# Altium PCB PCB_Project.PcbDoc (part 3 of 4)
Units mm, origin at the board's own origin, x right, y up, seen from the top; angles counter-clockwise.
Board outline 170.43 x 170.05 mm, 4 copper layers (Top Layer, Inner Layer1, Inner Layer2, Bottom Layer), stack 0.551 mm thick; 181 components, 248 nets, 1695 pads, 510 vias.
Unrouted connection lines stored in the file: 313.
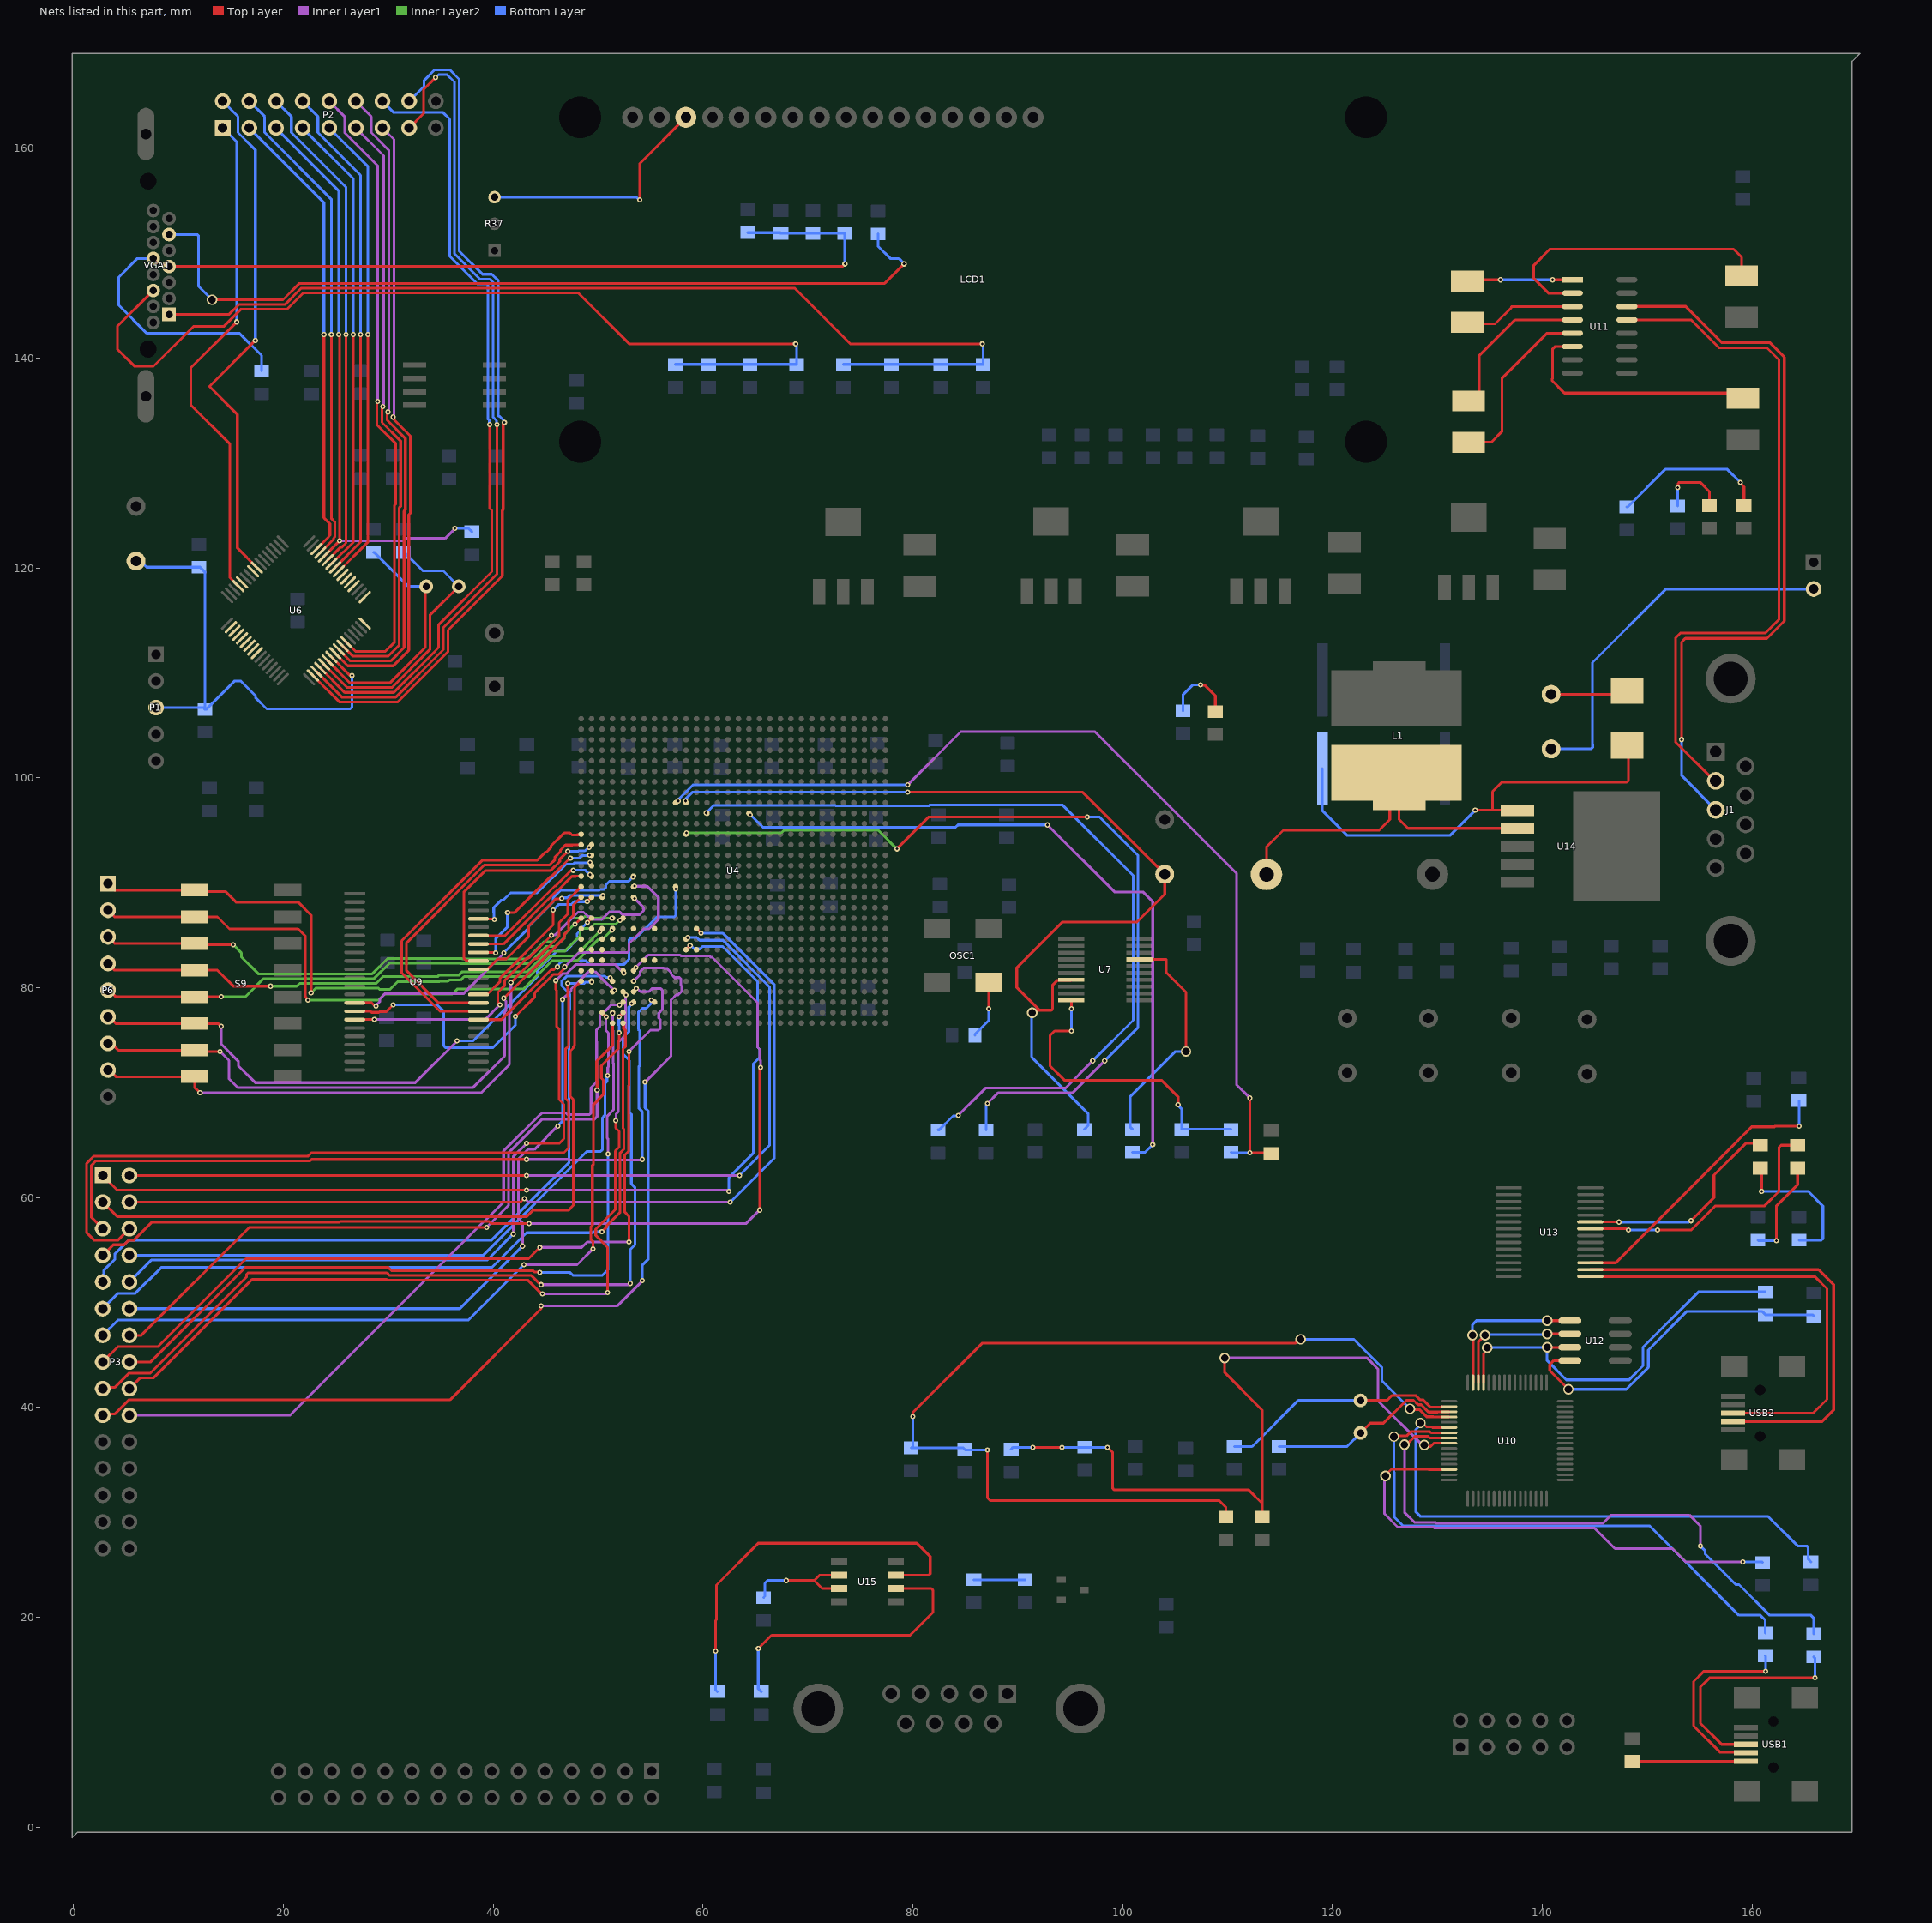
[diagram p5: the nets of this part, all layers, seen from the top]

## Via types
v1: diameter 0.5, hole 0.25, Top Layer to Bottom Layer, 482 vias
v2: diameter 1, hole 0.711, Top Layer to Bottom Layer, 28 vias

## Nets (pads, with @x,y where several pads share a name; then routed paths per layer and width w, separated by ;. In a path a pad name is that pad's centre, name@x,y a point inside that pad or via, vN(x,y) a via of type N, cw(c..) or ccw(c..) an arc to the next point about the centre after c; other vN are vias at no path point) (continued)
IO5: U4.AE16 U9.14 | length 32.6
  Top Layer w0.254: U9.14@26.808,78.55 28.433,78.55 28.762,78.221 v1(28.829,78.221) ; v1(53.34,90.551) 53.34,90.566 U4.AE16@53.389,90.615
  Inner Layer1 w0.254: v1(28.829,78.221) 28.829,78.288 29.205,78.664 29.205,78.916 29.722,79.433 37.196,79.433 41.021,83.258 v1(41.021,83.312)
  Bottom Layer w0.254: v1(41.021,83.312) 43.398,85.689 43.398,85.87 45.727,88.199 45.727,88.58 46.423,89.276 50.123,89.276 50.208,89.361 50.582,89.361 50.731,89.51 50.731,89.774 51.069,90.112 52.887,90.112 53.326,90.551 v1(53.34,90.551)
IO6: U4.AE17 U9.15 | length 44.1
  Top Layer w0.254: U9.15@26.808,77.75 28.32,77.75 28.426,77.644 29.13,77.644 29.21,77.724 29.845,77.724 v1(30.48,78.359) ; v1(42.127,77.252) 43.95,79.075 43.95,79.474 45.726,81.249 46.22,81.249 46.705,81.734 46.705,81.782 46.829,81.906 v1(46.829,81.973) ; U4.AE17@53.389,89.615 53.436,89.662 v1(53.467,89.662)
  Inner Layer1 w0.254: v1(46.829,81.973) 48.202,83.346 52.81,83.346 52.959,83.495 52.959,84.201 54.356,85.598 54.864,85.598 55.753,86.487 55.753,88.592 54.683,89.662 v1(53.467,89.662)
  Bottom Layer w0.254: v1(30.48,78.359) 34.671,78.359 35.306,77.724 35.306,74.444 35.455,74.295 40.005,74.295 42.127,76.417 v1(42.127,77.252)
IO7: U4.AE18 U9.16 | length 35.6
  Top Layer w0.254: U9.16@26.808,76.95 26.814,76.956 28.689,76.956 v1(28.695,76.962) ; v1(40.64,78.359) 40.64,78.426 40.444,78.622 40.444,79.545 41.116,80.216 41.116,80.72 43.223,82.828 43.397,82.828 v1(45.552,84.983) ; U4.AE18@53.389,88.615 53.467,88.537 v1(53.467,88.508)
  Inner Layer1 w0.254: v1(28.695,76.962) 39.243,76.962 v1(40.64,78.359) ; v1(45.552,84.983) 45.599,85.03 45.929,85.03 47.298,86.399 47.301,86.399 48.093,87.191 48.626,87.191 49.028,86.789 49.234,86.789 49.536,86.487 50.354,86.487 51.069,87.202 52.063,87.202 52.339,86.926 53.931,86.926 54.356,87.351 54.356,87.619 v1(53.467,88.508)
IO8: U4.AA17 U9.29 | length 26.9
  Top Layer w0.254: U9.29@38.608,76.95 40.784,76.95 45.538,81.703 45.792,81.703 46.061,81.973 v1(46.128,81.973)
  Bottom Layer w0.254: v1(46.128,81.973) 46.128,82.04 46.252,82.164 46.252,82.212 46.59,82.55 48.844,82.55 49.202,82.192 52.452,82.192 52.959,82.699 52.959,84.56 53.108,84.709 53.594,84.709 55.607,86.722 57.236,86.722 57.404,86.89 v1(57.404,89.408)
IO9: U4.AK12 U9.30 | length 33.4
  Top Layer w0.254: U9.30@38.608,77.75 34.953,77.75 31.296,81.407 31.296,84.457 38.987,92.148 44.215,92.148 44.962,92.895 45.07,92.895 45.506,93.331 45.506,93.474 46.768,94.736 47.323,94.736 47.513,94.546 47.991,94.546 48.007,94.562 48.336,94.562 U4.AK12@48.389,94.615
IO10: U4.AK13 U9.31 | length 31.5
  Top Layer w0.254: U9.31@38.608,78.55 34.795,78.55 31.75,81.595 31.75,84.269 39.175,91.694 45.393,91.694 45.898,92.199 45.898,92.438 46.414,92.955 46.414,93.098 46.898,93.582 47.563,93.582 47.596,93.615 U4.AK13@48.389,93.615
IO11: U4.AJ18 U9.32 | length 15.6
  Top Layer w0.254: U9.32@38.608,79.35 38.639,79.381 39.464,79.381 40.662,80.578 40.662,80.909 45.72,85.967 v1(45.72,87.376) ; v1(48.971,88.2) 48.973,88.2 U4.AJ18@49.389,88.615 U4.AJ18@49.389,88.615
  Bottom Layer w0.254: v1(45.72,87.376) 46.275,87.931 47.485,87.931 47.744,88.19 48.962,88.19 v1(48.971,88.2)
IO12: U4.AH18 U9.35 | length 15.6
  Top Layer w0.254: U9.35@38.608,81.75 38.639,81.781 39.464,81.781 40.418,82.735 41.26,82.735 43.371,84.846 43.371,85.843 45.989,88.461 46.491,88.461 v1(46.538,88.508) ; U4.AH18@50.389,88.615 50.389,88.726 v1(50.447,88.784)
  Bottom Layer w0.254: v1(46.538,88.508) 46.585,88.555 47.083,88.555 47.305,88.777 49.21,88.777 49.289,88.699 49.374,88.784 v1(50.447,88.784)
IO13: U4.AJ13 U9.36 | length 22
  Top Layer w0.254: U9.36@38.608,82.55 38.59,82.568 37.447,82.568 37.211,82.804 37.211,89.088 39.282,91.159 45.5,91.159 46.352,92.01 46.352,92.219 v1(47.111,92.979) ; v1(49.138,93.345) 49.138,93.354 49.389,93.605 U4.AJ13@49.389,93.615
  Bottom Layer w0.254: v1(47.111,92.979) 48.074,92.979 48.122,93.027 48.753,93.027 49.072,93.345 v1(49.138,93.345)
IO14: U4.AJ14 U9.37 | length 16.1
  Top Layer w0.254: U9.37@38.608,83.35 38.626,83.332 40.239,83.332 v1(40.259,83.312) ; v1(41.371,87.153) 42.068,87.153 45.504,90.589 45.572,90.589 47.312,92.329 v1(47.371,92.329)
  Bottom Layer w0.254: v1(40.259,83.312) 40.259,84.676 41.371,85.788 v1(41.371,87.153) ; v1(47.371,92.329) 48.202,92.329 48.446,92.573 49.166,92.573 v1(49.207,92.614)
IO15: U4.AK16 U9.38 | length 12.5
  Top Layer w0.254: U9.38@38.608,84.15 40.991,84.15 46.068,89.227 46.136,89.227 47.507,90.598 47.864,90.598 47.875,90.609 48.383,90.609 U4.AK16@48.389,90.615
K_1: P6.1 S9.1 U4.AH21 | length 58.4
  Top Layer w0.254: P6.1@3.302,89.916 3.937,89.281 S9.1@11.547,89.281 11.674,89.154 14.478,89.154 15.496,88.136 21.414,88.136 22.651,86.899 v1(22.651,79.502) ; v1(50.165,85.344) 50.165,85.368 50.389,85.592 U4.AH21@50.389,85.615
  Inner Layer2 w0.254: v1(22.651,79.502) 23.101,79.952 29.068,79.952 29.191,79.829 30.172,79.829 30.93,80.587 34.901,80.587 34.922,80.608 35.723,80.608 35.829,80.714 36.906,80.714 37.253,81.061 43.462,81.061 45.405,83.004 47.825,83.004 v1(50.165,85.344)
K_2: P6.2 S9.2 U4.AG21 | length 57.9
  Top Layer w0.254: P6.2@3.302,87.376 3.937,86.741 S9.2@11.547,86.741 13.716,86.741 14.859,85.598 21.412,85.598 22.074,84.936 22.074,79.15 22.342,78.882 v1(22.342,78.816) ; v1(51.308,85.471) 51.389,85.552 U4.AG21@51.389,85.615
  Inner Layer2 w0.254: v1(22.342,78.816) 22.359,78.798 29.068,78.798 29.645,79.375 36.122,79.375 36.63,79.883 42.926,79.883 45.593,82.55 48.013,82.55 50.042,84.578 50.415,84.578 v1(51.308,85.471)
K_3: P6.3 S9.3 U4.AG20 | length 52.4
  Top Layer w0.254: P6.3@3.302,84.836 3.937,84.201 11.176,84.201 11.303,84.074 v1(15.24,84.074) ; v1(51.308,86.625) 51.318,86.615 U4.AG20@51.389,86.615
  Inner Layer2 w0.254: v1(15.24,84.074) 16.002,83.312 16.002,82.931 17.619,81.314 28.482,81.314 29.944,82.776 37.004,82.776 37.045,82.735 43.21,82.735 44.841,84.366 45.751,84.366 46.129,84.744 46.129,85.227 47.516,86.614 48.581,86.614 48.756,86.789 49.234,86.789 49.409,86.614 51.297,86.614 v1(51.308,86.625)
K_4: P6.4 S9.4 U4.AF20 | length 53
  Top Layer w0.254: P6.4@3.302,82.296 3.937,81.661 S9.4@11.547,81.661 13.716,81.661 15.24,80.137 v1(18.796,80.137) ; v1(52.1,86.401) 52.137,86.401 52.352,86.615 U4.AF20@52.389,86.615
  Inner Layer2 w0.254: v1(18.796,80.137) 21.294,80.137 21.563,80.406 28.858,80.406 29.493,81.041 34.713,81.041 34.84,81.168 36.718,81.168 37.065,81.515 43.274,81.515 45.217,83.458 46.805,83.458 48.302,84.955 48.302,85.486 48.451,85.635 49.235,85.635 49.648,86.048 51.681,86.048 52.033,86.401 v1(52.1,86.401)
K_5: P6.5 S9.5 U4.AK20 | length 48.7
  Top Layer w0.254: P6.5@3.302,79.756 3.421,79.756 4.056,79.121 S9.5@11.547,79.121 v1(14.097,79.121) ; v1(47.812,86.037) U4.AK20@48.389,86.615
  Inner Layer2 w0.254: v1(14.097,79.121) 16.383,79.121 18.122,80.86 28.67,80.86 30.132,82.322 36.816,82.322 36.857,82.281 43.398,82.281 45.029,83.912 45.939,83.912 46.791,84.764 46.791,85.076 47.752,86.037 v1(47.812,86.037)
K_6: P6.6 S9.6 U4.AJ20 | length 57.2
  Top Layer w0.254: P6.6@3.302,77.216 3.421,77.216 4.056,76.581 S9.6@11.547,76.581 13.776,76.581 14.03,76.327 v1(14.097,76.327) ; v1(48.995,86.212) 48.995,86.217 49.389,86.61 U4.AJ20@49.389,86.615
  Inner Layer1 w0.254: v1(14.097,76.327) 14.097,74.603 15.708,72.992 15.708,72.557 17.326,70.939 32.585,70.939 v1(36.576,74.93)
  Bottom Layer w0.254: v1(36.576,74.93) 38.1,74.93 44.224,81.054 44.224,81.623 46.13,83.529 46.953,83.529 48.006,84.582 48.006,85.148 48.497,85.639 48.497,85.713 v1(48.995,86.212)
K_7: P6.7 S9.7 U4.AK18 | length 60.1
  Top Layer w0.254: P6.7@3.302,74.676 3.639,74.676 4.274,74.041 S9.7@11.547,74.041 11.674,73.914 v1(13.97,73.914) ; v1(41.021,78.994) 46.791,84.764 46.791,85.076 47.184,85.469 47.184,86.425 47.654,86.895 47.654,87.88 U4.AK18@48.389,88.615
  Inner Layer1 w0.254: v1(13.97,73.914) 14.83,73.054 14.83,71.298 15.643,70.485 38.1,70.485 41.096,73.481 41.096,77.68 41.217,77.8 41.217,78.731 41.021,78.927 v1(41.021,78.994)
K_8: P6.8 S9.8 U4.AK17 | length 60.7
  Top Layer w0.254: P6.8@3.302,72.136 3.421,72.136 4.056,71.501 S9.8@11.547,71.501 11.547,70.495 v1(12.065,69.977) ; v1(41.692,80.481) 43.927,82.716 44.101,82.716 46.288,84.903 46.288,86.171 47.106,86.989 47.106,88.332 U4.AK17@48.389,89.615
  Inner Layer1 w0.254: v1(12.065,69.977) 38.862,69.977 41.55,72.665 41.55,77.491 41.692,77.633 v1(41.692,80.481)
LB: U4.AJ16 U9.39 | length 13.4
  Top Layer w0.254: U9.39@38.608,84.95 41.149,84.95 45.88,89.681 45.948,89.681 47.395,91.128 47.578,91.128 v1(47.625,91.175)
  Bottom Layer w0.254: v1(47.625,91.175) 48.813,91.175 49.228,90.761 v1(49.236,90.761)
NetC31_1: C31.1 C32.1 F3.1 U10.9 | length 71.6
  Top Layer w0.254: v1(91.44,36.195) v1(94.234,36.195) ; v1(98.552,36.195) 99.06,35.687 99.06,32.28 99.209,32.131 112.014,32.131 113.309,30.836 ; v2(109.728,44.704) 109.728,43.307 113.309,39.726 113.309,30.836 ; F3.1@113.309,29.54 113.309,30.836 ; v2(128.765,36.407) 128.884,36.288 129.372,36.288 129.664,36.58 U10.9@131.127,36.58
  Inner Layer1 w0.254: v2(109.728,44.704) 123.295,44.704 124.333,43.666 124.333,40.64 128.566,36.407 v2(128.765,36.407)
  Bottom Layer w0.254: C31.1@89.383,36.017 89.56,36.195 v1(91.44,36.195) ; v1(94.234,36.195) C32.1@96.393,36.195 v1(98.552,36.195)
NetC39_1: C39.1 C40.1 F4.2 U10.4 | length 97.2
  Top Layer w0.254: v1(80.01,39.116) 79.998,39.128 79.998,39.497 86.602,46.101 116.445,46.101 116.826,46.482 v2(116.967,46.482) ; v1(87.122,35.941) 87.122,31.369 87.376,31.115 109.22,31.115 109.83,30.505 F4.2@109.83,29.54 ; v2(127.401,39.858) 127.463,39.796 128.284,39.796 128.975,39.105 129.61,39.105 129.635,39.08 U10.4@131.127,39.08
  Bottom Layer w0.254: v1(80.01,39.116) 80.01,36.297 C40.1@79.858,36.144 84.811,36.144 C39.1@84.938,36.017 85.014,35.941 v1(87.122,35.941) ; v2(116.967,46.482) 122.047,46.482 124.714,43.815 124.714,42.545 v2(127.401,39.858)
NetC41_1: C41.1 U11.1 | length 10.1
  Top Layer w0.254: C41.1@132.844,147.329 132.962,147.447 v1(136.017,147.447) ; v1(140.97,147.447) U11.1@142.875,147.447
  Bottom Layer w0.254: v1(136.017,147.447) v1(140.97,147.447)
NetC41_2: C41.2 U11.3 | length 10
  Top Layer w0.254: C41.2@133.604,143.256 135.509,143.256 137.055,144.802 137.055,144.885 142.853,144.885 U11.3@142.875,144.907
NetC42_1: C42.1 U11.2 | length 28.1
  Top Layer w0.254: U11.2@142.875,146.177 140.589,146.177 139.192,147.574 139.192,148.844 140.716,150.368 158.242,150.368 159.004,149.606 C42.1@159.004,147.828
NetC43_1: C43.1 U11.4 | length 13.9
  Top Layer w0.254: C43.1@133.985,136.652 133.985,140.208 137.414,143.637 U11.4@142.875,143.637
NetC43_2: C43.2 U11.5 | length 17.2
  Top Layer w0.254: C43.2@132.971,131.962 135.137,131.962 136.144,132.969 136.144,138.049 140.462,142.367 U11.5@142.875,142.367
NetC45_2: C45.2 U10.2 Y2.2 | length 22.3
  Top Layer w0.254: Y2.2@122.682,40.666 125.212,40.666 125.685,41.139 127.932,41.139 128.367,40.704 128.66,40.704 129.351,40.013 129.829,40.013 129.855,40.039 130.44,40.039 U10.2@130.479,40.078
  Bottom Layer w0.254: C45.2@110.642,36.271 112.344,36.271 116.739,40.666 Y2.2@122.682,40.666
NetC46_1: C46.1 U10.3 Y2.1 | length 18.5
  Top Layer w0.254: Y2.1@122.682,37.566 123.608,38.492 124.865,38.492 127.058,40.685 127.743,40.685 128.179,40.25 128.472,40.25 129.163,39.559 130.017,39.559 130.039,39.58 U10.3@131.127,39.58
  Bottom Layer w0.254: C46.1@114.91,36.271 121.387,36.271 Y2.1@122.682,37.566
NetC47_1: C47.1 U11.6 | length 23.3
  Top Layer w0.254: U11.6@142.875,141.097 141.246,141.097 140.97,140.821 140.97,138.049 140.948,138.027 140.948,137.817 142.113,136.652 C47.1@158.75,136.652
NetC49_1: C49.1 D4.2 U14.1 | length 43.1
  Top Layer w0.254: v1(133.604,96.901) 135.255,96.901 ; U14.1@137.637,96.872 137.608,96.901 135.255,96.901 ; D4.2@148.107,103.073 148.209,102.972 148.209,99.717 148.06,99.568 136.144,99.568 135.255,98.679 135.255,96.901
  Bottom Layer w0.254: C49.1@119.05,100.863 119.05,96.864 121.426,94.488 131.191,94.488 v1(133.604,96.901)
NetC54_1: C54.1 U13.17 | length 27.7
  Top Layer w0.254: U13.17@144.579,53.773 147.013,53.773 158.623,65.383 158.623,65.405 159.951,66.733 162.14,66.733 162.209,66.802 v1(164.465,66.802)
  Bottom Layer w0.254: v1(164.465,66.802) C54.1@164.465,69.215
NetD1_2: D1.2 R12.1 | length 6.9
  Top Layer w0.254: v1(152.908,127.635) 152.955,127.682 152.955,128.041 153.057,128.143 155.067,128.143 155.931,127.279 D1.2@155.931,125.933
  Bottom Layer w0.254: R12.1@152.908,125.882 v1(152.908,127.635)
NetD2_2: D2.2 R16.1 | length 15.2
  Top Layer w0.254: v1(158.877,128.143) 158.877,128.076 159.233,127.721 D2.2@159.233,125.933
  Bottom Layer w0.254: R16.1@148.057,125.806 148.157,125.806 151.763,129.413 157.607,129.413 v1(158.877,128.143)
NetD3_1: D3.1 R26.2 U4.AA9 | length 93
  Top Layer w0.254: U4.AA9@57.389,97.615 57.436,97.615 57.611,97.79 v1(57.658,97.79) ; v1(112.141,69.469) v1(112.141,64.262) 114.071,64.262 D3.1@114.148,64.186
  Inner Layer1 w0.254: v1(79.502,99.314) 84.582,104.394 97.366,104.394 110.852,90.908 110.852,70.758 v1(112.141,69.469)
  Bottom Layer w0.254: v1(57.658,97.79) 57.705,97.837 57.705,97.978 59.041,99.314 v1(79.502,99.314) ; R26.2@110.338,64.313 110.388,64.262 v1(112.141,64.262)
NetD4_1: D4.1 S8.2 | length 7.4
  Top Layer w0.254: S8.2@140.843,107.95 147.777,107.95 D4.1@148.107,108.28
NetD5_1: D5.1 R45.1 | length 14.1
  Top Layer w0.254: D5.1@160.782,62.789 160.909,62.662 v1(160.909,60.579)
  Bottom Layer w0.254: v1(160.909,60.579) 165.354,60.579 166.751,59.182 166.751,56.08 166.602,55.931 R45.1@164.49,55.931
NetD5_2: D5.2 U13.23 | length 20.6
  Top Layer w0.254: U13.23@144.579,57.673 147.305,57.673 v1(147.32,57.658) ; v1(154.178,57.785) 156.371,59.978 156.371,62.13 159.392,65.151 160.604,65.151 D5.2@160.782,64.973
  Bottom Layer w0.254: v1(147.32,57.658) 153.984,57.658 154.111,57.785 v1(154.178,57.785)
NetD6_1: D6.1 R46.1 | length 9.5
  Top Layer w0.254: v1(162.306,55.88) 162.306,59.182 164.338,61.214 D6.1@164.338,62.789
  Bottom Layer w0.254: R46.1@160.553,55.931 160.604,55.88 v1(162.306,55.88)
NetD6_2: D6.2 U13.22 | length 25.6
  Top Layer w0.254: U13.22@144.579,57.023 148.015,57.023 148.142,56.896 v1(148.209,56.896) ; v1(151.003,56.896) 154.178,56.896 156.464,59.182 161.163,59.182 162.56,60.579 162.56,64.77 162.763,64.973 D6.2@164.338,64.973
  Bottom Layer w0.254: v1(148.209,56.896) v1(151.003,56.896)
NetD7_2: D7.2 L1.1 U14.2 | length 31.3
  Top Layer w0.254: D7.2@113.716,90.78 113.716,93.396 115.316,94.996 124.46,94.996 125.476,96.012 125.476,97.044 126.349,97.917 L1.1@126.365,97.917 126.365,96.012 127.205,95.172 U14.2@137.637,95.172
NetD8_2: D8.2 R47.1 | length 6.9
  Top Layer w0.254: v1(107.442,108.839) 107.455,108.826 107.814,108.826 108.839,107.801 D8.2@108.839,106.299
  Bottom Layer w0.254: R47.1@105.766,106.375 105.766,107.925 106.68,108.839 v1(107.442,108.839)
NetF5_1: F5.1 USB1.1 | length 10.7
  Top Layer w0.254: F5.1@148.717,6.301 148.739,6.279 USB1.1@159.426,6.279
NetJ1_2: J1.2 U11.13 | length 66.7
  Top Layer w0.254: U11.13@148.075,143.637 154.178,143.637 156.845,140.97 161.417,140.97 162.56,139.827 162.56,115.069 161.283,113.792 153.184,113.792 152.712,113.32 152.712,103.393 156.398,99.707 J1.2@156.545,99.707
NetJ1_3: J1.3 U11.14 | length 70.1
  Top Layer w0.254: U11.14@148.075,144.907 153.67,144.907 157.099,141.478 161.671,141.478 163.068,140.081 163.068,114.935 161.417,113.284 153.638,113.284 153.289,112.935 v1(153.289,103.632)
  Bottom Layer w0.254: v1(153.289,103.632) 153.289,100.193 J1.3@156.545,96.937
NetLCD1_3: LCD1.3 R37.3 | length 23.6
  Top Layer w0.254: v1(53.975,155.067) 53.975,158.53 LCD1.3@58.379,162.934
  Bottom Layer w0.254: R37.3@40.132,155.321 53.654,155.321 53.908,155.067 v1(53.975,155.067)
NetOSC1_1: OSC1.1 R44.1 | length 5.6
  Top Layer w0.254: OSC1.1@87.216,80.518 87.249,80.485 v1(87.249,77.978)
  Bottom Layer w0.254: R44.1@85.928,75.463 85.928,75.563 87.249,76.884 v1(87.249,77.978)
NetP7_2: P7.2 S8.1 | length 36.1
  Bottom Layer w0.254: S8.1@140.843,102.743 144.653,102.743 144.802,102.892 144.802,103.102 144.78,103.124 144.78,110.976 151.787,117.983 P7.2@165.862,117.983
NetR1_1: R1.1 R3.1 R4.1 R7.1 VGA1.3 | length 76.7
  Top Layer w0.254: VGA1.3@9.112,148.714 9.115,148.717 73.29,148.717 v1(73.533,148.96)
  Bottom Layer w0.254: R1.1@64.287,151.943 67.361,151.943 R3.1@67.437,151.867 R4.1@70.485,151.867 R7.1@73.533,151.867 v1(73.533,148.96)
NetR6_2: R6.2 VGA1.14 | length 81.2
  Top Layer w0.254: v2(13.208,145.542) 19.97,145.542 21.54,147.112 77.32,147.112 v1(79.168,148.96)
  Bottom Layer w0.254: VGA1.14@9.112,151.762 9.115,151.765 11.789,151.765 11.938,151.616 11.938,146.812 v2(13.208,145.542) ; R6.2@76.683,151.816 76.683,150.647 77.851,149.479 78.668,149.479 79.168,148.979 v1(79.168,148.96)
NetR8_1: R8.1 R9.1 R11.1 R14.1 VGA1.2 | length 90.8
  Top Layer w0.254: VGA1.2@7.612,146.428 4.191,143.007 4.191,140.843 5.803,139.231 7.401,139.231 7.425,139.207 7.635,139.207 11.43,143.002 14.317,143.002 15.948,144.633 20.345,144.633 21.916,146.204 48.118,146.204 52.971,141.351 v1(68.834,141.351)
  Bottom Layer w0.254: R8.1@57.379,139.395 R9.1@60.554,139.395 R11.1@64.491,139.395 R14.1@68.936,139.395 68.936,141.249 v1(68.834,141.351)
NetR13_2: R13.2 VGA1.13 | length 23.8
  Bottom Layer w0.254: VGA1.13@7.612,149.476 6.093,149.476 4.318,147.701 4.318,145.034 7.003,142.349 15.823,142.349 17.932,140.24 R13.2@17.932,138.76
NetR18_1: R18.1 R19.1 R20.1 R21.1 VGA1.1 | length 96.1
  Top Layer w0.254: VGA1.1@9.112,144.142 14.815,144.142 15.76,145.087 20.157,145.087 21.728,146.658 68.734,146.658 74.041,141.351 v1(86.614,141.351)
  Bottom Layer w0.254: R18.1@73.381,139.395 R19.1@77.953,139.395 R20.1@82.652,139.395 R21.1@86.716,139.395 86.716,141.183 86.614,141.284 v1(86.614,141.351)
NetR24_1: R24.1 U7.17 | length 22.4
  Top Layer w0.254: U7.17@101.627,82.687 104.13,82.687 104.14,82.677 104.14,81.459 106.045,79.554 v2(106.045,73.914)
  Bottom Layer w0.254: R24.1@100.94,66.497 100.711,66.726 100.711,69.596 105.029,73.914 v2(106.045,73.914)
NetR24_2: R24.2 U4.P10 | length 67.4
  Inner Layer1 w0.254: v1(92.837,95.504) 99.227,89.114 101.941,89.114 102.87,88.185 v1(102.87,65.024)
  Bottom Layer w0.254: v1(64.516,96.477) 65.705,95.288 84.099,95.288 84.315,95.504 v1(92.837,95.504) ; R24.2@100.94,64.313 102.159,64.313 v1(102.87,65.024)
NetR25_1: R25.1 R26.1 U7.10 | length 29.4
  Top Layer w0.254: v1(95.121,75.866) 93.519,75.866 93.091,75.438 93.091,72.539 94.453,71.177 103.702,71.177 105.283,69.596 v1(105.283,68.834) ; U7.10@95.121,78.787 95.123,78.785 v1(95.123,77.978)
  Bottom Layer w0.254: v1(95.121,75.866) 95.123,75.868 v1(95.123,77.978) ; v1(105.283,68.834) 105.283,68.767 105.639,68.412 R25.1@105.639,66.497 R26.1@110.338,66.497
NetR27_1: R27.1 S7.1 U4.Y9 U7.7 | length 93.1
  Top Layer w0.254: v1(79.502,98.614) 79.505,98.617 96.201,98.617 S7.1@104.013,90.805 104.013,88.9 101.346,86.233 94.256,86.233 89.916,81.893 89.916,80.01 92.075,77.851 ; v2(91.382,77.597) 91.515,77.597 91.769,77.851 92.075,77.851 ; U7.7@95.121,80.737 95.058,80.674 93.755,80.674 93.345,80.264 93.345,77.978 93.218,77.851 92.075,77.851
  Bottom Layer w0.254: v1(58.358,97.79) 58.405,97.837 58.405,98.036 58.986,98.617 79.499,98.617 v1(79.502,98.614) ; v2(91.382,77.597) 91.313,77.528 91.313,73.406 96.707,68.012 96.707,66.836 R27.1@96.368,66.497
NetR33_2: R33.2 U4.Y12 | length 83
  Top Layer w0.254: v1(78.486,93.218) 81.534,96.266 v1(96.647,96.266)
  Inner Layer1 w0.254: v1(87.122,68.961) 88.129,69.968 95.241,69.968 v1(98.298,73.025)
  Inner Layer2 w0.254: v1(58.42,94.742) 67.472,94.742 67.722,94.992 76.712,94.992 v1(78.486,93.218)
  Bottom Layer w0.254: R33.2@86.995,66.421 86.995,68.834 v1(87.122,68.961) ; v1(96.647,96.266) 97.79,96.266 101.473,92.583 101.473,76.2 v1(98.298,73.025)
NetR35_2: R35.2 U4.V10 | length 80.5
  Inner Layer1 w0.254: v1(84.328,67.818) 86.932,70.422 94.552,70.422 v1(97.155,73.025)
  Bottom Layer w0.254: v1(60.325,96.647) 60.325,96.655 61.039,97.369 72.616,97.369 72.648,97.337 81.554,97.337 81.613,97.396 94.301,97.396 101.019,90.678 101.019,76.889 v1(97.155,73.025) ; R35.2@82.423,66.446 82.523,66.446 83.848,67.771 84.281,67.771 v1(84.328,67.818)
NetR38_1: R38.1 U10.7 | length 53.9
  Top Layer w0.254: v2(125.857,37.211) 125.922,37.276 127.058,37.276 127.47,37.688 129.295,37.688 129.403,37.58 U10.7@131.127,37.58
  Bottom Layer w0.254: v2(125.857,37.211) 125.857,33.84 125.883,33.815 125.883,29.565 126.746,28.702 150.241,28.702 158.75,20.193 160.782,20.193 161.265,19.71 R38.1@161.265,18.491
NetR38_2: R38.2 USB1.2 | length 19
  Top Layer w0.254: USB1.2@159.426,7.079 159.393,7.112 156.972,7.112 154.432,9.652 154.432,13.865 155.426,14.859 v1(161.29,14.859)
  Bottom Layer w0.254: R38.2@161.265,16.307 161.29,16.281 v1(161.29,14.859)
NetR39_1: R39.1 U10.8 | length 57.7
  Top Layer w0.254: v2(126.873,36.449) 127.073,36.449 127.858,37.234 129.107,37.234 129.261,37.08 U10.8@131.127,37.08
  Inner Layer1 w0.254: v2(126.873,36.449) 126.873,29.994 127.827,29.04 129.83,29.04 129.914,28.956 145.796,28.956 146.58,29.74 154.029,29.74 155.067,28.702 v1(155.067,26.797)
  Bottom Layer w0.254: v1(155.067,26.797) 155.543,26.321 155.543,26.013 158.453,23.103 158.761,23.103 161.671,20.193 165.608,20.193 165.862,19.939 R39.1@165.862,18.415
NetR39_2: R39.2 USB1.3 | length 22
  Top Layer w0.254: USB1.3@159.426,7.879 157.094,7.879 155.067,9.906 155.067,13.335 155.956,14.224 v1(165.989,14.224)
  Bottom Layer w0.254: R39.2@165.862,16.231 165.989,16.104 v1(165.989,14.224)
NetR40_1: R40.1 U10.14 | length 48
  Top Layer w0.254: v2(125.056,33.472) 125.056,33.541 125.62,34.105 129.144,34.105 129.169,34.08 U10.14@131.127,34.08
  Inner Layer1 w0.254: v2(125.056,33.472) 124.968,33.385 124.968,29.845 126.227,28.586 129.642,28.586 129.726,28.502 144.98,28.502 146.939,26.543 152.4,26.543 153.67,25.273 v1(159.131,25.273)
  Bottom Layer w0.254: v1(159.131,25.273) 160.96,25.273 R40.1@161.011,25.222
NetR41_1: R41.1 U10.61 U12.3 | length 38.7
  Top Layer w0.254: U10.61@134.402,42.355 134.402,45.127 134.754,45.479 v2(134.754,45.68) ; v2(140.462,45.72) U12.3@142.634,45.72
  Bottom Layer w0.254: v2(134.754,45.68) 134.774,45.7 140.442,45.7 v2(140.462,45.72) 140.462,44.45 142.294,42.618 148.275,42.618 149.606,43.949 149.606,45.72 154.889,51.003 R41.1@161.265,51.003
NetR41_2: R41.2 R43.1 U12.4 | length 32.8
  Top Layer w0.254: v2(142.494,41.718) 140.716,43.496 140.716,44.069 141.097,44.45 U12.4@142.634,44.45
  Bottom Layer w0.254: v2(142.494,41.718) 148.017,41.718 150.114,43.815 150.114,45.466 153.797,49.149 160.934,49.149 R41.2@161.265,48.819 165.76,48.819 R43.1@165.887,48.692
NetR42_1: R42.1 U10.6 | length 51.9
  Top Layer w0.254: v2(128.395,38.515) 128.597,38.515 128.97,38.142 129.483,38.142 129.545,38.08 U10.6@131.127,38.08
  Bottom Layer w0.254: v2(128.395,38.515) 128.395,38.313 127.938,37.855 127.938,30.072 128.419,29.591 161.544,29.591 164.338,26.797 165.205,26.797 165.354,26.648 165.354,25.527 R42.1@165.608,25.273
NetR48_2: R48.2 U15.2 U15.3 | length 11.5
  Top Layer w0.254: v1(67.945,23.495) 70.612,23.495 ; U15.3@72.98,22.733 71.374,22.733 70.612,23.495 ; U15.2@72.98,24.003 71.12,24.003 70.612,23.495
  Bottom Layer w0.254: R48.2@65.786,21.869 65.913,21.996 65.913,23.241 66.167,23.495 v1(67.945,23.495)
NetR49_2: R49.2 R50.1 | length 4.9
  Bottom Layer w0.254: R50.1@85.827,23.571 R49.2@90.703,23.571
NetR51_2: R51.2 U15.6 | length 28
  Top Layer w0.254: v1(65.278,17.018) 66.548,18.288 79.756,18.288 81.915,20.447 81.915,22.584 81.766,22.733 U15.6@78.404,22.733
  Bottom Layer w0.254: v1(65.278,17.018) 65.278,13.183 R51.2@65.557,12.903
NetR52_2: R52.2 U15.7 | length 37.8
  Top Layer w0.254: v1(61.214,16.764) 61.214,19.686 61.294,19.766 61.294,23.067 65.278,27.051 80.391,27.051 81.661,25.781 81.661,24.152 81.512,24.003 U15.7@78.404,24.003
  Bottom Layer w0.254: v1(61.214,16.764) 61.214,13.056 R52.2@61.366,12.903
NetU10_62: U10.62 U12.2 | length 12.9
  Top Layer w0.254: U10.62@133.902,42.355 133.902,46.215 v2(134.55,46.863) ; v2(140.462,46.99) U12.2@142.634,46.99
  Bottom Layer w0.254: v2(134.55,46.863) 134.614,46.926 140.398,46.926 v2(140.462,46.99)
NetU10_63: U10.63 U12.1 | length 15
  Top Layer w0.254: v2(133.35,46.863) 133.4,46.813 133.4,42.357 U10.63@133.402,42.355 ; v2(140.462,48.26) U12.1@142.634,48.26
  Bottom Layer w0.254: v2(133.35,46.863) 133.35,47.879 133.731,48.26 v2(140.462,48.26)
NetU13_15: U13.15 USB2.3 | length 43.1
  Top Layer w0.254: U13.15@144.579,52.473 165.967,52.473 167.132,51.308 167.132,40.767 165.821,39.456 USB2.3@158.182,39.456
NetU13_16: U13.16 USB2.2 | length 45.8
  Top Layer w0.254: U13.16@144.579,53.123 166.333,53.123 167.767,51.689 167.767,39.751 166.672,38.656 USB2.2@158.182,38.656
NRST: C29.1 P1.3 R31.1 S6.2 U6.7 | length 47
  Top Layer w0.254: U6.7@24.585,111.514 26.324,109.775 26.496,109.775 v1(26.543,109.728)
  Bottom Layer w0.254: S6.2@5.969,120.65 6.387,120.65 6.972,120.066 C29.1@11.963,120.066 12.063,120.066 12.548,119.582 R31.1@12.548,106.502 ; P1.3@7.874,106.68 12.37,106.68 R31.1@12.548,106.502 ; v1(26.543,109.728) 26.543,106.702 26.394,106.553 18.415,106.553 17.369,107.599 17.369,107.78 15.929,109.22 15.365,109.22 12.648,106.502 R31.1@12.548,106.502
OE: U4.AJ15 U9.41 | length 13.7
  Top Layer w0.254: U9.41@38.608,86.55 38.626,86.532 40.087,86.532 v1(40.132,86.487)
  Bottom Layer w0.254: v1(40.132,86.487) 40.085,86.534 40.085,87.109 40.063,87.131 40.063,87.615 40.792,88.344 40.985,88.344 41.668,89.027 44.196,89.027 46.921,91.752 47.61,91.752 47.733,91.875 49.203,91.875 v1(49.242,91.915)
OSC_IN: C15.2 U6.5 Y1.2 | length 26.3
  Top Layer w0.254: U6.5@23.878,110.807 25.185,109.5 26.1,108.585 30.36,108.585 33.982,112.207 33.982,115.49 Y1.2@36.729,118.237
  Bottom Layer w0.254: C15.2@31.471,121.463 31.571,121.463 33.32,119.713 35.253,119.713 Y1.2@36.729,118.237
OSC_OUT: C16.1 U6.6 Y1.1 | length 23.8
  Top Layer w0.254: U6.6@24.232,111.16 24.232,111.158 26.35,109.039 30.172,109.039 33.528,112.395 33.528,118.136 Y1.1@33.629,118.237
  Bottom Layer w0.254: C16.1@28.6,121.463 28.7,121.463 31.926,118.237 Y1.1@33.629,118.237
P1: P2.1 U6.45 | length 47.9
  Top Layer w0.254: v1(15.568,143.436) 11.186,139.055 11.186,135.519 14.917,131.788 14.917,119.064 15.711,118.27 U6.45@15.711,118.267
  Bottom Layer w0.254: P2.1@14.224,161.925 15.568,160.581 v1(15.568,143.436)
P2: P2.7 U6.26 | length 44.4
  Top Layer w0.254: U6.26@24.585,120.388 25.696,121.499 25.74,121.499 26.676,122.435 v1(26.676,142.24)
  Bottom Layer w0.254: P2.7@21.844,161.925 26.676,157.093 v1(26.676,142.24)
P3: P2.6 U6.27 | length 47.3
  Top Layer w0.254: U6.27@24.232,120.742 25.443,121.953 25.552,121.953 25.976,122.377 v1(25.976,142.24)
  Bottom Layer w0.254: P2.6@19.304,164.465 20.767,163.002 20.767,161.479 25.976,156.27 v1(25.976,142.24)
P4: P2.5 R10.2 U6.28 | length 57.2
  Top Layer w0.254: U6.28@23.878,121.095 v1(25.375,122.592) ; v1(25.276,142.24) 25.361,142.155 v1@25.361,122.578
  Inner Layer1 w0.254: v1(25.375,122.592) 25.389,122.578 31.519,122.578 31.75,122.809 35.433,122.809 v1(36.373,123.749)
  Bottom Layer w0.254: P2.5@19.304,161.925 25.276,155.953 v1(25.276,142.24) ; v1(36.373,123.749) 37.668,123.749 R10.2@37.973,123.444
P5: P2.4 U6.29 | length 47
  Top Layer w0.254: U6.29@23.525,121.449 24.795,122.719 24.795,122.828 24.907,122.94 24.907,124.379 24.576,124.71 v1(24.576,142.24)
  Bottom Layer w0.254: P2.4@16.764,164.465 18.227,163.002 18.227,161.479 24.576,155.13 v1(24.576,142.24)
P6: P2.3 U6.30 | length 43.8
  Top Layer w0.254: U6.30@23.171,121.802 24.344,122.975 24.344,123.019 24.453,123.128 24.453,124.191 23.876,124.768 v1(23.876,142.24)
  Bottom Layer w0.254: P2.3@16.764,161.925 23.876,154.813 v1(23.876,142.24)
P7: P2.13 U6.8 | length 59.2
  Top Layer w0.254: U6.8@24.939,111.867 26.139,110.668 30.493,110.668 31.969,112.144 31.969,125.05 32.096,125.177 32.096,132.585 30.398,134.284 v1(30.48,134.366)
  Inner Layer1 w0.254: P2.13@29.464,161.925 30.562,160.827 30.562,134.448 v1(30.48,134.366)
P8: P2.12 U6.9 | length 61.4
  Top Layer w0.254: U6.9@25.293,112.221 26.392,111.122 30.24,111.122 31.515,112.397 31.515,125.404 31.642,125.531 31.642,132.332 29.903,134.071 29.903,134.779 v1(29.985,134.861)
  Inner Layer1 w0.254: P2.12@26.924,164.465 28.387,163.002 28.387,161.479 30.067,159.799 30.067,134.943 v1(29.985,134.861)
P9: P2.11 U6.10 | length 57.5
  Top Layer w0.254: U6.10@25.646,112.575 26.645,111.576 29.987,111.576 31.061,112.65 31.061,125.731 31.188,125.858 31.188,132.079 29.408,133.859 29.408,135.274 v1(29.49,135.356)
  Inner Layer1 w0.254: P2.11@26.924,161.925 29.572,159.277 29.572,135.438 v1(29.49,135.356)
P10: P2.10 U6.11 | length 59.7
  Top Layer w0.254: U6.11@26,112.928 26.898,112.03 29.734,112.03 30.607,112.903 30.607,125.984 30.734,126.111 30.734,131.826 28.913,133.647 28.913,135.769 v1(28.995,135.851)
  Inner Layer1 w0.254: P2.10@24.384,164.465 25.847,163.002 25.847,161.479 28.995,158.331 v1(28.995,135.851)
P11: P2.9 U6.24 | length 44.9
  Top Layer w0.254: U6.24@25.293,119.681 28.076,122.464 v1(28.076,142.24)
  Bottom Layer w0.254: P2.9@24.384,161.925 28.076,158.233 v1(28.076,142.24)
P12: P2.8 U6.25 | length 47.7
  Top Layer w0.254: U6.25@24.939,120.035 27.376,122.472 v1(27.376,142.24)
  Bottom Layer w0.254: P2.8@21.844,164.465 23.307,163.002 23.307,161.479 27.376,157.41 v1(27.376,142.24)
P13: P2.2 U6.40 | length 49.4
  Top Layer w0.254: v1(17.335,141.668) 12.954,137.287 15.621,134.62 15.621,121.893 U6.40@17.479,120.035
  Bottom Layer w0.254: P2.2@14.224,164.465 15.687,163.002 15.687,161.479 17.335,159.83 v1(17.335,141.668)
P14: P2.16 U6.2 | length 81.7
  Top Layer w0.254: U6.2@22.818,109.746 25.341,107.223 30.924,107.223 35.706,112.005 35.706,114.048 40.878,119.22 40.878,125.476 40.955,125.553 40.955,133.735 v1(41.078,133.858)
  Bottom Layer w0.254: P2.16@32.004,164.465 33.429,165.89 33.429,166.447 34.442,167.46 35.867,167.46 36.775,166.552 36.775,150.186 38.987,147.974 39.873,147.974 40.497,147.35 40.497,134.497 40.559,134.435 40.617,134.435 41.078,133.974 v1(41.078,133.858)
P15: P2.15 U6.3 | length 81.5
  Top Layer w0.254: U6.3@23.171,110.1 25.594,107.677 30.736,107.677 35.252,112.193 35.252,114.301 40.378,119.427 v1(40.378,133.666) ; P2.15@32.004,161.925 33.364,163.285 33.364,165.566 v1(34.533,166.735)
  Bottom Layer w0.254: v1(34.533,166.735) 34.804,167.006 35.614,167.006 36.321,166.299 36.321,149.933 38.734,147.52 39.685,147.52 39.997,147.208 39.997,134.355 40.331,134.021 40.331,133.713 v1(40.378,133.666)
P16: P2.14 U6.4 | length 75.8
  Top Layer w0.254: U6.4@23.525,110.453 25.847,108.131 30.548,108.131 34.436,112.019 34.436,112.033 34.798,112.395 34.798,114.554 39.878,119.634 39.878,125.476 39.678,125.676 v1(39.678,133.666)
  Bottom Layer w0.254: P2.14@29.464,164.465 30.541,163.388 35.24,163.388 35.867,162.761 35.867,149.68 38.481,147.066 39.497,147.066 39.497,134.213 39.631,134.079 39.631,133.713 v1(39.678,133.666)
PA2: U4.AG22 U6.16
PA3: U4.AD24 U6.17
PA4: U4.AC24 U6.20
PA5: U4.AH22 U6.21
PA6: U4.AH23 U6.22
PA7: U4.AH24 U6.23
PA8: U4.AJ23 U6.41
PA11: U4.AJ24 U6.44
PB50: U4.AE21 U4.W23 U6.50
PB55: U4.AJ21 U6.57
PB56: U4.AK21 U6.56
PB57: U4.AK22 U6.55
PC51: U4.AJ25 U6.53
PC52: U4.AK25 U6.52
PC53: U4.AC21 U6.51
PD54: U4.AK23 U6.54
PP20: P3.2 U4.Y22 | length 87.1
  Top Layer w0.254: P3.2@5.334,62.103 v1(43.18,62.103)
  Inner Layer1 w0.254: v1(43.18,62.103) v1(63.5,62.103)
  Bottom Layer w0.254: v1(58.558,84.756) 58.58,84.778 59.41,84.778 59.681,84.507 61.924,84.507 66.363,80.068 66.363,64.966 v1(63.5,62.103)
PP21: P3.1 U4.Y23 | length 90.2
  Top Layer w0.254: P3.1@2.794,62.103 4.191,60.706 v1(43.18,60.706) ; U4.Y23@58.389,83.615 58.389,83.62 58.779,84.011 v1(58.779,84.016)
  Inner Layer1 w0.254: v1(43.18,60.706) 62.29,60.706 62.417,60.579 v1(62.484,60.579)
  Bottom Layer w0.254: v1(58.779,84.016) 58.846,84.016 59.169,83.693 59.74,83.693 59.975,83.928 61.861,83.928 65.209,80.58 65.209,74.31 65.42,74.099 65.42,73.348 64.828,72.756 64.828,64.247 62.484,61.903 v1(62.484,60.579)
PP22: P3.4 U4.W21 | length 89.6
  Top Layer w0.254: P3.4@5.334,59.563 42.598,59.563 42.919,59.884 v1(42.986,59.884) ; U4.W21@59.389,85.615 v1(59.814,85.19)
  Inner Layer1 w0.254: v1(42.986,59.884) 43.053,59.884 43.374,59.563 v1(62.611,59.563)
  Bottom Layer w0.254: v1(59.814,85.19) 59.823,85.199 61.874,85.199 66.817,80.256 66.817,63.769 v1(62.611,59.563)
PP24: P3.3 U4.AK26 | length 67.8
  Top Layer w0.254: P3.3@2.794,59.563 4.176,58.181 43.195,58.181 43.815,58.801 47.201,58.801 47.644,59.244 47.644,69.338 47.35,69.632 47.35,73.942 47.64,74.232 47.64,74.392 47.767,74.519 47.767,79.993 U4.AK26@48.389,80.615
PP26: P3.6 U4.AJ26 | length 76.2
  Top Layer w0.254: P3.6@5.334,57.023 4.257,55.946 1.966,55.946 1.263,56.649 1.263,63.246 1.956,63.939 22.37,63.939 22.693,64.262 46.747,64.262 47.19,64.705 47.19,69.15 46.896,69.444 46.896,74.13 47.186,74.42 47.186,79.106 47.117,79.175 v1(47.117,80.391)
  Bottom Layer w0.254: v1(47.117,80.391) 48.64,80.391 48.762,80.513 v1(49.398,80.513)
PP27: P3.5 U4.AC28 | length 75.8
  Top Layer w0.254: P3.5@2.794,57.023 1.717,58.1 1.717,63.058 2.144,63.485 22.558,63.485 22.7,63.627 v1(43.18,63.627) ; v1(55.08,78.797) 55.144,78.797 55.326,78.615 U4.AC28@55.389,78.615
  Inner Layer1 w0.254: v1(43.18,63.627) 47.235,63.627 47.304,63.558 54.093,63.558 54.162,63.627 v1(54.229,63.627)
  Bottom Layer w0.254: v1(54.229,63.627) 54.229,68.154 53.906,68.477 53.906,72.502 53.99,72.586 53.99,75.863 53.837,76.016 53.837,77.64 54.233,78.036 54.595,78.036 55.033,78.474 55.033,78.75 v1(55.08,78.797)
PP28: P3.8 U4.AH29 | length 62.8
  Top Layer w0.254: U4.AH29@50.389,77.615 50.389,77.61 50.784,77.216 v1(50.784,77.211)
  Inner Layer1 w0.254: v1(50.784,77.211) 50.761,77.188 50.761,75.912 50.996,75.677 50.996,72.455 50.927,72.386 50.927,71.639 v1(50.897,71.609)
  Bottom Layer w0.254: P3.8@5.334,54.483 39.043,54.483 48.949,64.389 50.255,64.389 50.404,64.538 50.404,67.569 50.658,67.823 50.658,70.851 50.85,71.043 50.85,71.562 v1(50.897,71.609)
PP29: P3.7 U4.AE25 | length 98.9
  Top Layer w0.254: P3.7@2.794,54.483 3.803,55.492 4.82,55.492 5.274,55.946 5.78,55.946 7.493,57.659 25.366,57.659 25.434,57.727 39.609,57.727 39.805,57.531 v1(43.434,57.531) ; U4.AE25@53.389,81.615 53.389,81.663 53.594,81.867 v1(53.594,81.915) ; v1(65.405,58.801) 65.405,72.205 65.515,72.315 v1(65.515,72.382)
  Inner Layer1 w0.254: v1(43.434,57.531) 64.135,57.531 v1(65.405,58.801) ; v1(53.594,81.915) 54.784,83.105 57.83,83.105 57.905,83.03 60.6,83.03 60.738,82.891 60.88,82.891 65.209,78.562 65.209,74.31 65.42,74.099 65.42,73.349 65.405,73.334 65.405,73.14 65.515,73.029 v1(65.515,72.382)
PP31: P3.10 U4.AF25 | length 74.2
  Top Layer w0.254: v1(43.18,65.151) 46.293,65.151 46.736,65.594 46.736,68.882 46.297,69.321 46.297,76.047 46.032,76.312 46.032,79.75 45.965,79.817 v1(45.965,80.672)
  Inner Layer1 w0.254: v1(41.91,56.515) 41.91,63.881 v1(43.18,65.151) ; v1(45.965,80.672) 46.638,81.346 47.018,81.346 47.864,82.192 51.666,82.192 v1(52.451,81.407)
  Bottom Layer w0.254: P3.10@5.334,51.943 7.42,54.029 39.424,54.029 v1(41.91,56.515)
PP33: P3.9 U4.AG26 | length 73
  Top Layer w0.254: v1(51.151,80.917) 51.151,80.885 51.389,80.647 U4.AG26@51.389,80.615
  Bottom Layer w0.254: P3.9@2.794,51.943 2.908,52.057 2.908,53.074 3.96,54.126 3.96,54.632 5.274,55.946 39.864,55.946 47.244,63.326 47.244,77.797 47.313,77.866 47.313,79.379 46.582,80.11 46.54,80.152 46.54,80.63 47,81.09 50.047,81.09 50.052,81.095 50.658,81.095 50.789,80.964 51.104,80.964 v1(51.151,80.917)
PP34: P3.12 U4.AG27 | length 72.6
  Inner Layer1 w0.254: v1(42.799,55.372) 42.799,57.586 42.409,57.976 42.409,63.672 43.311,64.574 43.931,64.574 v1(46.159,66.802) ; v1(46.609,78.867) 47.443,79.701 47.443,79.867 49.093,81.518 49.734,81.518 50.574,80.678 51.495,79.756 v1(51.562,79.756)
  Bottom Layer w0.254: P3.12@5.334,49.403 36.83,49.403 v1(42.799,55.372) ; v1(46.159,66.802) 46.609,67.252 v1(46.609,78.867)
PP35: P3.11 U4.AF30 | length 71.6
  Top Layer w0.254: v1(50.361,56.743) 50.839,57.221 50.839,57.336 52.105,58.602 52.105,64.245 52.466,64.606 52.466,66.516 52.382,66.6 52.382,74.153 52.604,74.375 52.604,75.931 52.442,76.093 52.442,76.562 U4.AF30@52.389,76.615
  Bottom Layer w0.254: P3.11@2.794,49.403 4.257,50.866 5.908,50.866 8.382,53.34 39.878,53.34 43.18,56.642 49.487,56.642 49.588,56.743 v1(50.361,56.743)
PP36: P3.14 U4.AG30 | length 65.7
  Top Layer w0.254: P3.14@5.334,46.863 6.477,46.863 16.764,57.15 v1(39.37,57.15) ; v1(49.911,70.231) 49.911,71.137 49.866,71.182 49.866,72.974 51.389,74.497 U4.AG30@51.389,76.615
  Inner Layer1 w0.254: v1(39.37,57.15) 41.456,59.236 41.456,64.243 44.65,67.437 49.635,67.437 49.911,67.713 v1(49.911,70.231)
PP37: P3.13 U4.AF29 | length 74.2
  Top Layer w0.254: v1(49.53,55.118) 49.53,55.78 49.33,55.98 49.33,57.211 49.461,57.342 49.461,63.05 49.568,63.157 49.568,68.865 50.488,69.785 50.488,71.202 50.32,71.37 50.32,72.555 51.928,74.163 51.928,74.934 52.027,75.033 v1(52.027,75.692) ; v1(51.999,77.214) 51.999,77.22 52.389,77.61 U4.AF29@52.389,77.615
  Inner Layer1 w0.254: v1(42.926,53.594) 48.006,53.594 v1(49.53,55.118)
  Bottom Layer w0.254: P3.13@2.794,46.863 4.257,48.326 37.658,48.326 v1(42.926,53.594) ; v1(51.999,77.214) 51.995,77.21 51.995,76.505 51.943,76.453 51.943,76.45 52.027,76.366 v1(52.027,75.692)
PP39: P3.16 U4.AG29 | length 74.7
  Top Layer w0.254: P3.16@5.334,44.323 7.366,44.323 16.383,53.34 30.002,53.34 30.325,53.017 43.837,53.017 43.964,52.89 44.403,52.89 v1(44.45,52.843)
  Inner Layer1 w0.254: v1(50.942,64.135) 50.942,65.59 50.858,65.674 50.858,67.725 51.474,68.341 51.474,72.786 51.45,72.81 51.45,75.865 51.386,75.929 51.386,77.556 v1(51.391,77.56)
  Bottom Layer w0.254: v1(44.45,52.843) 47.335,52.843 47.6,52.578 50.419,52.578 50.942,53.101 v1(50.942,64.135)
PP40: P3.15 U4.AE27 | length 83.9
  Top Layer w0.254: P3.15@2.794,44.323 4.257,45.786 8.067,45.786 16.452,54.171 43.376,54.171 v1(44.45,55.245) ; v1(52.959,55.753) 52.959,58.187 52.559,58.587 52.559,64.057 52.92,64.418 52.92,70.655 52.959,70.694 v1(52.959,73.914) ; U4.AE27@53.389,79.615 U4.AE27@53.389,79.637
  Inner Layer1 w0.254: v1(44.45,55.245) 48.451,55.245 48.959,55.753 v1(52.959,55.753) ; v1(52.959,73.914) 54.991,75.946 55.77,75.946 55.919,76.095 55.919,76.968 55.796,77.091 55.796,77.569 56.134,77.907 56.134,79.756 55.985,79.905 55.14,79.905 54.864,79.629 54.025,79.629 53.726,79.928 v1(53.659,79.928)
PP42: P3.18 U4.AF27 | length 80.8
  Top Layer w0.254: P3.18@5.334,41.783 6.343,42.792 7.613,42.792 17.018,52.197 29.861,52.197 29.949,52.109 43.341,52.109 44.65,50.8 v1(44.704,50.8) ; v1(50.897,50.927) 50.897,55.275 49.784,56.388 49.784,56.981 51.651,58.849 51.651,64.433 52.012,64.794 52.012,66.297 51.689,66.62 v1(51.689,67.31)
  Inner Layer1 w0.254: v1(44.704,50.8) 50.703,50.8 50.83,50.927 v1(50.897,50.927) ; v1(51.689,67.31) 51.716,67.337 51.716,67.941 51.928,68.153 51.928,74.777 52.625,75.474 52.625,79.244 v1(52.668,79.287)
PP43: P3.17 U4.AE28 | length 83.2
  Top Layer w0.254: P3.17@2.794,41.783 2.908,41.897 3.925,41.897 5.274,43.246 7.305,43.246 16.514,52.455 16.514,52.68 16.662,52.828 29.872,52.828 30.137,52.563 43.649,52.563 44.523,51.689 v1(44.577,51.689)
  Inner Layer1 w0.254: v1(44.577,51.689) 52.892,51.689 53.019,51.816 v1(53.075,51.816)
  Bottom Layer w0.254: v1(53.075,51.816) 53.086,51.827 53.086,55.064 53.536,55.514 53.536,60.94 53.174,61.302 53.174,67.925 52.998,68.101 52.998,73.059 52.382,73.675 52.382,75.231 52.929,75.778 52.929,78.146 53.202,78.419 v1(53.202,78.486)
PP44: P3.20 U4.AF28 | length 71.4
  Top Layer w0.254: v1(52.048,78.338) 52.08,78.338 52.357,78.615 U4.AF28@52.389,78.615
  Inner Layer1 w0.254: P3.20@5.334,39.243 20.647,39.243 39.131,57.727 39.166,57.727 41.002,59.563 41.002,64.431 44.462,67.891 44.523,67.891 44.704,68.072 46.887,68.072 47.068,67.891 49.185,67.891 49.334,68.04 49.334,70.47 49.866,71.002 49.866,74.849 49.842,74.873 49.842,75.979 50.184,76.321 50.184,77.427 50.535,77.778 50.676,77.778 51.257,78.359 52.027,78.359 v1(52.048,78.338)
PP48: P3.19 U4.AE26 | length 93.4
  Top Layer w0.254: P3.19@2.794,39.243 2.908,39.357 3.925,39.357 5.274,40.706 35.88,40.706 44.577,49.403 v1(44.577,49.657)
  Inner Layer1 w0.254: v1(44.577,49.657) 51.816,49.657 v1(54.229,52.07) ; v1(53.389,80.615) 54.029,81.255 54.029,81.534 54.171,81.676 54.171,81.678 54.367,81.873 56.249,81.873 56.276,81.846 56.569,81.846 56.759,81.656 56.759,81.642 56.954,81.447 56.954,81.295 57.292,80.957 57.763,80.957 57.912,80.808 57.912,80.21 57.981,80.141 57.981,79.644 57.643,79.306 57.437,79.306 57.288,79.157 57.288,79.141 56.95,78.803 56.95,73.46 v1(54.483,70.993)
  Bottom Layer w0.254: v1(54.229,52.07) 54.229,53.571 54.806,54.148 54.806,68.219 54.483,68.542 v1(54.483,70.993)